# Altium PCB S7CAS-PLEIADES-CARTE-MERE_Pxx.PcbDoc (part 4 of 8) (continued)
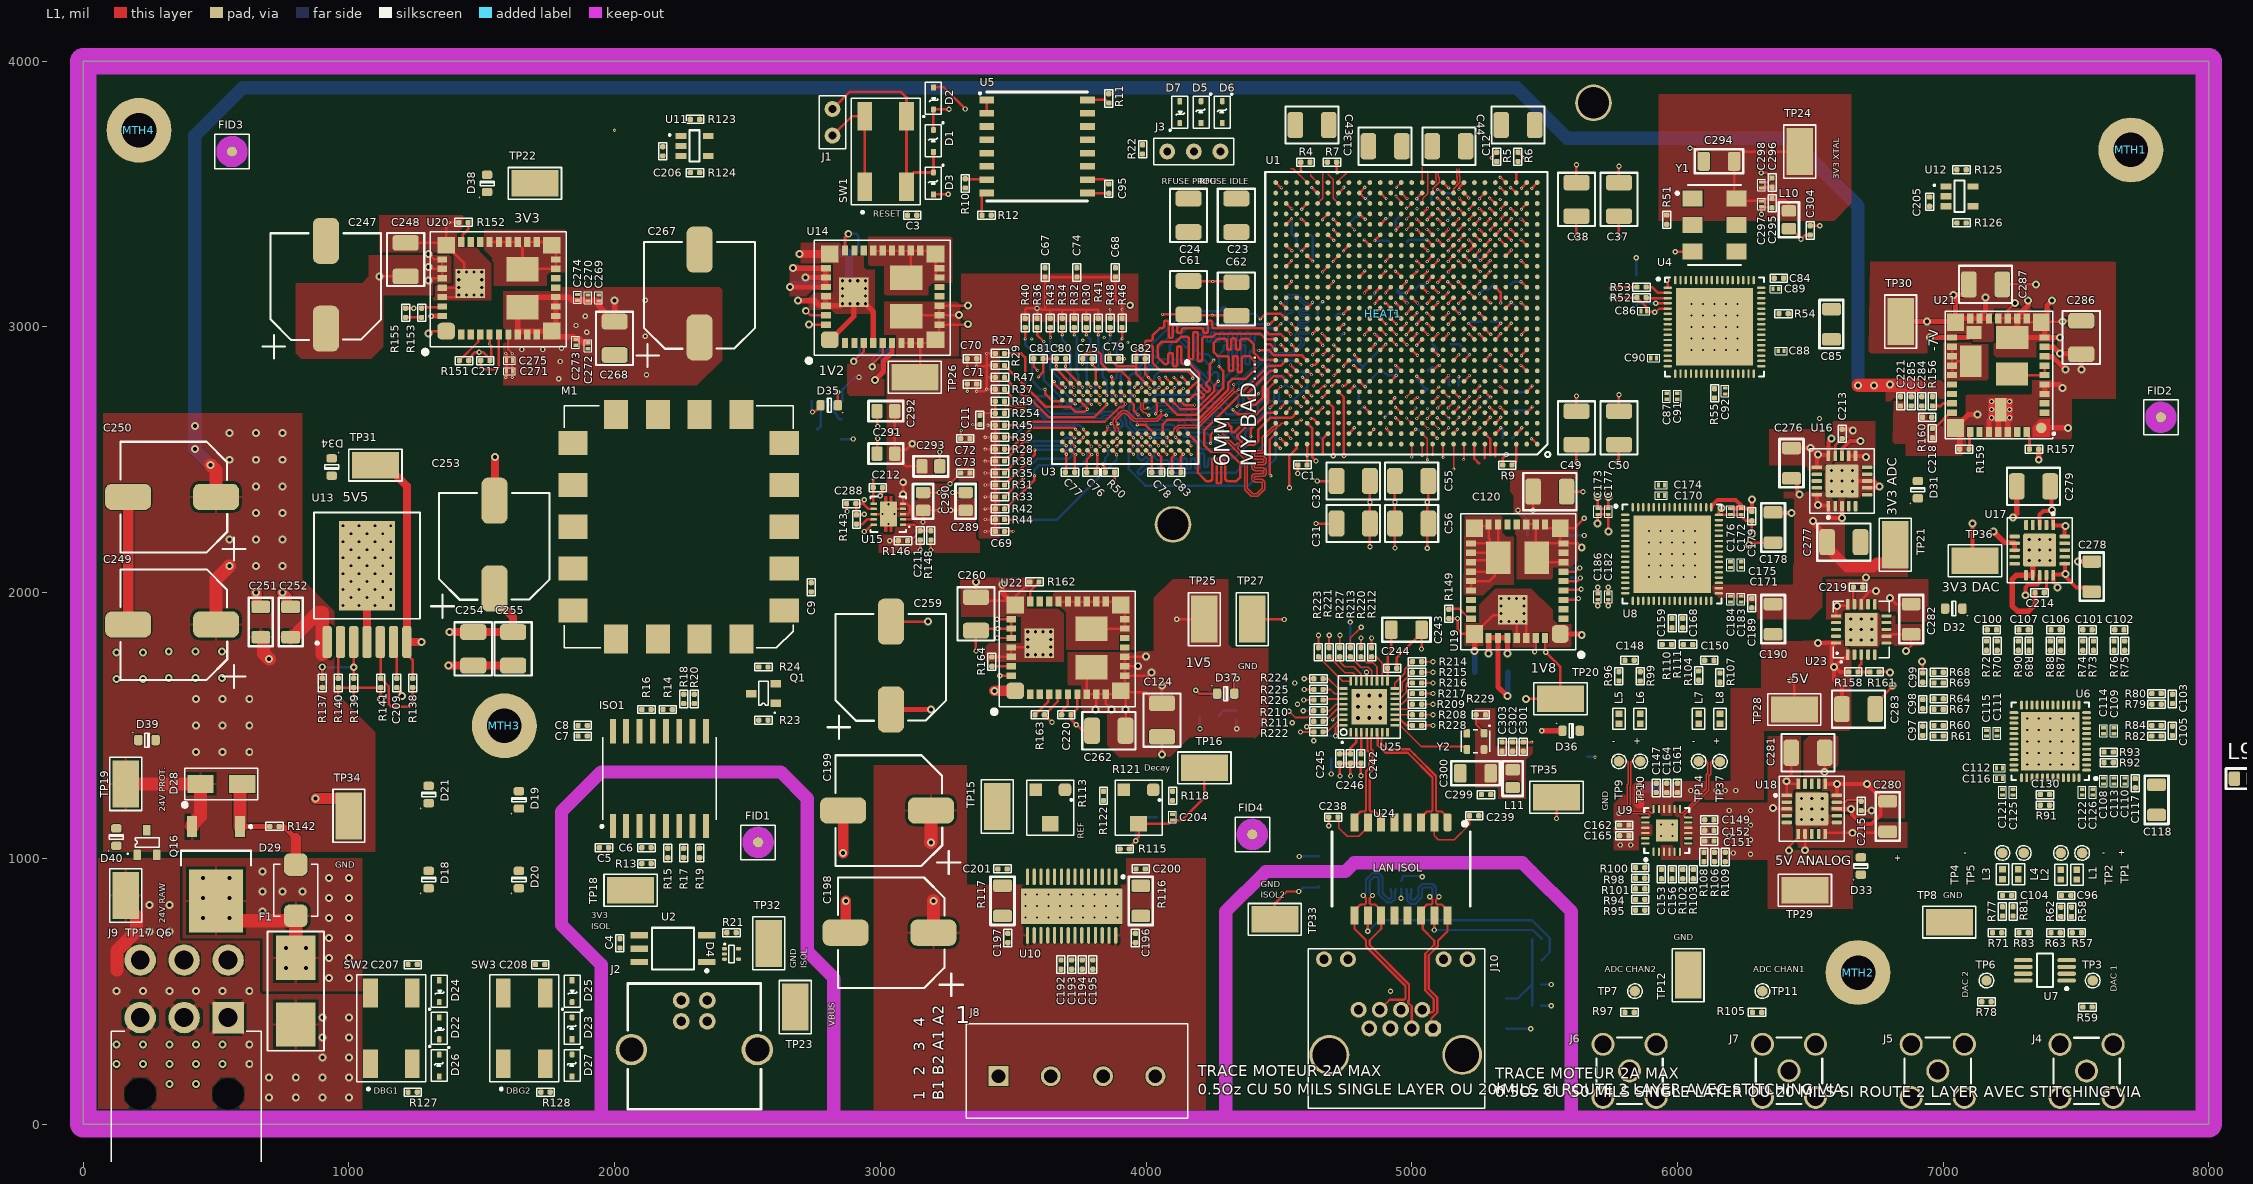
[diagram p0: L1 view]
## Nets (pads, with @x,y where several pads share a name; then routed paths per layer and width w, separated by ;. In a path a pad name is that pad's centre, name@x,y a point inside that pad or via, vN(x,y) a via of type N, cw(c..) or ccw(c..) an arc to the next point about the centre after c; other vN are vias at no path point) (continued)
A11: R38.2 U1.C24 U3.R7 | length 1673.9
  L1 w9.39: R38.2@3467.5,2495 3542.5,2570 v1(3555,2570) ; U3.R7@3716.53,2598.42 3716.53,2597.84 3731.64,2582.73 v1(3731.64,2582.15) ; U1.C24@4566.92,2637.79 4578.63,2649.5 4584.5,2649.5 v1(4585,2650)
  L12 w5.82: v1(3731.64,2582.15) 3731.64,2582.04 3715,2565.4 3715,2520.11 3730.11,2505 3823.01,2505 3826.49,2508.47 3879.39,2508.47 3883.1,2504.76 4198.76,2504.76 4230.62,2536.62 4244.39,2536.62 4276.68,2536.62 cw(c4276.68,2530.79) 4282.51,2530.79 4282.51,2513.67 ccw(c4287,2513.67) 4287,2509.18 4290.84,2509.18 ccw(c4290.84,2513.67) 4295.33,2513.67 4295.33,2532.13 cw(c4299.82,2532.13) 4299.82,2536.62 4303.66,2536.62 cw(c4303.66,2532.13) 4308.15,2532.13 4308.15,2509.25 ccw(c4312.64,2509.25) 4312.64,2504.76 4316.49,2504.76 ccw(c4316.49,2509.25) 4320.98,2509.25 4320.98,2545.72 cw(c4325.46,2545.72) 4325.46,2550.21 4329.31,2550.21 cw(c4329.31,2545.72) 4333.8,2545.72 4333.8,2509.25 ccw(c4338.29,2509.25) 4338.29,2504.76 4342.13,2504.76 ccw(c4342.13,2509.25) 4346.62,2509.25 4346.62,2571.37 cw(c4351.11,2571.37) 4351.11,2575.86 4354.96,2575.86 cw(c4354.96,2571.37) 4359.44,2571.37 4359.44,2509.25 ccw(c4363.93,2509.25) 4363.93,2504.76 4367.78,2504.76 ccw(c4367.78,2509.25) 4372.27,2509.25 4372.27,2530.79 cw(c4378.09,2530.79) 4378.09,2536.62 4381,2536.62 4391.62,2536.62 4500,2645 4578.5,2645 4583.5,2650 v1(4585,2650)
  L14 w9.36: v1(3555,2570) 3685,2570 3697.15,2582.15 v1(3731.64,2582.15)
A12: R39.2 U1.D22 U3.N7 | length 1811
  L1 w9.39: R39.2@3467.5,2585 v1(3500,2585) ; v1@3765.5,2614.5 3765.5,2612.44 U3.N7@3779.52,2598.42 ; U1.D22@4645.66,2678.52 4647.15,2678.52 4665.63,2697 v1(4665.76,2697)
  L3 w5.82: v1(3765,2615) 3765.83,2614.17 3804,2614.17 3841.01,2614.17 3860.17,2595 3904,2595 3930.56,2568.44 4037.72,2568.44 ccw(c4037.72,2574.26) 4043.54,2574.26 4043.54,2596.36 cw(c4048.03,2596.36) 4048.03,2600.85 4051.88,2600.85 cw(c4051.88,2596.36) 4056.36,2596.36 4056.36,2574.26 ccw(c4062.19,2574.26) 4062.19,2568.44 4080.62,2568.44 4083.21,2568.44 4098.94,2568.44 cw(c4098.94,2562.61) 4104.76,2562.61 4104.76,2557.51 ccw(c4109.25,2557.51) 4109.25,2553.02 4113.1,2553.02 ccw(c4113.1,2557.51) 4117.59,2557.51 4117.59,2563.93 cw(c4122.08,2563.93) 4122.08,2568.42 4125.92,2568.42 cw(c4125.92,2563.93) 4130.41,2563.93 4130.41,2557.51 ccw(c4134.9,2557.51) 4134.9,2553.02 4138.74,2553.02 ccw(c4138.74,2557.51) 4143.23,2557.51 4143.23,2562.61 cw(c4149.06,2562.61) 4149.06,2568.44 4168,2568.44 4176.56,2568.44 4197.24,2547.76 4272.76,2547.76 4281.5,2556.5 4283.56,2558.56 ccw(c4279.44,2562.68) 4283.56,2566.79 4277.92,2572.44 cw(c4281.09,2575.61) 4277.92,2578.78 4280.64,2581.5 cw(c4283.81,2578.33) 4286.98,2581.5 4303.19,2565.3 ccw(c4306.36,2568.47) 4309.53,2565.3 4312.25,2568.02 ccw(c4309.08,2571.19) 4312.25,2574.37 4296.55,2590.07 cw(c4299.72,2593.24) 4296.55,2596.42 4299.27,2599.14 cw(c4302.44,2595.96) 4305.62,2599.14 4321.32,2583.43 ccw(c4324.49,2586.61) 4327.67,2583.43 4330.39,2586.15 ccw(c4327.21,2589.33) 4330.39,2592.5 4328.06,2594.83 cw(c4332.18,2598.94) 4328.06,2603.06 4336,2611 4337,2612 4339.91,2614.91 ccw(c4334.49,2620.33) 4342.16,2620.33 4342.16,2645.9 cw(c4346.64,2645.9) 4346.64,2650.39 4350.49,2650.39 cw(c4350.49,2645.9) 4354.98,2645.9 4354.98,2628.05 ccw(c4359.47,2628.05) 4359.47,2623.57 4363.31,2623.57 ccw(c4363.31,2628.05) 4367.8,2628.05 4367.8,2671.55 cw(c4372.29,2671.55) 4372.29,2676.04 4376.14,2676.04 cw(c4376.14,2671.55) 4380.62,2671.55 4380.62,2653.7 ccw(c4385.11,2653.7) 4385.11,2649.21 4388.96,2649.21 ccw(c4388.96,2653.7) 4393.45,2653.7 4393.45,2694.36 cw(c4397.93,2694.36) 4397.93,2698.85 4401.78,2698.85 cw(c4401.78,2694.36) 4406.27,2694.36 4406.27,2679 ccw(c4410.76,2679) 4410.76,2674.51 4414.6,2674.51 ccw(c4414.6,2679) 4419.09,2679 4419.09,2694.36 cw(c4423.58,2694.36) 4423.58,2698.85 4427.43,2698.85 cw(c4427.43,2694.36) 4431.91,2694.36 4431.91,2680.82 ccw(c4437.74,2680.82) 4437.74,2675 4503.03,2675 cw(c4503.03,2669.18) 4508.85,2669.18 4508.85,2660.64 ccw(c4513.34,2660.64) 4513.34,2656.15 4517.18,2656.15 ccw(c4517.18,2660.64) 4521.67,2660.64 4521.67,2669.18 cw(c4527.49,2669.18) 4527.49,2675 4539,2675 4550,2675 4555.16,2669.84 4638.61,2669.84 v1(4665.76,2697)
  L14 w9.36: v1(3500,2585) 3546.01,2631.01 3741.63,2631.01 3742.95,2629.68 3750.32,2629.68 v1(3765,2615)
A13: R40.2 U1.G20 U3.T3 | length 1643.1
  L1 w9.39: v1(3545,2955) R40.2@3545,2996.79 ; v1(3620,2765) 3620,2748.64 3647.86,2720.78 3675.52,2720.78 3677.55,2722.81 3683.44,2722.81 U3.T3@3685.03,2724.4 ; v1@4699.83,2777.5 4716.01,2793.68 4722.81,2793.68 U1.G20@4724.4,2795.27
  L12 w5.82: v1(3620,2765) 3620,2748.64 3708.64,2660 3765,2660 3817.62,2607.38 3884.85,2607.38 3990,2607.38 4153.06,2607.38 4156.68,2603.76 4180.64,2603.76 4291.88,2715 4666,2715 4697.63,2746.63 4697.63,2770.96 4698.15,2771.48 4698.15,2775.82 v1(4699.33,2777)
  L14 w9.36: v1(3545,2955) 3545,2933.64 3572.26,2906.38 3572.26,2796.38 3603.64,2765 v1(3620,2765)
ADC1_IN_N: C148.1 R99.1 U8.20
ADC1_IN_P: C148.2 R96.1 U8.19
ADC2_IN_N: C150.1 R107.1 U8.30
ADC2_IN_P: C150.2 R104.1 U8.29
ADC_CLK_OUT_N: U1.T1 U8.56
ADC_CLK_OUT_P: U1.T3 U8.57
ADC_CTRL1: U1.T4 U8.35
ADC_CTRL2: U1.R7 U8.36 | length 30.3
  L1 w9.39: v1@5214.35,3130.5 5214.85,3130 5216.44,3130 U1.R7@5236.21,3110.23
  other v1: 5214.6,3130.25
ADC_CTRL3: U1.R6 U8.37 | length 30.3
  L1 w9.39: U1.R6@5275.58,3110.23 5295.35,3090.46 5296.94,3090.46 v1@5297.44,3089.96
  other v1: 5297.19,3090.21
ADC_OP1_OUT_N: L6.1 TP10.1 U9.18 | length 322.4
  L1 w4.82: TP10.1@5860,1365 5827.73,1365 5824.91,1362.18 5824.91,1276.26 5821.94,1273.3 5821.94,1186.94 5824.82,1184.07 5831.67,1177.22 5894.72,1177.22 5902.42,1169.52 5906.41,1169.52 5910.79,1173.9 U9.18@5910.79,1185.71
ADC_OP1_OUT_P: L5.1 TP9.1 U9.19 | length 330.5
  L1 w4.82: TP9.1@5780,1365 5812.27,1365 5815.09,1362.18 5815.09,1280.33 5812.12,1277.37 5812.12,1182.88 5815,1180 5827.6,1167.4 5890.65,1167.4 5895.48,1162.58 5895.48,1158.59 5891.1,1154.21 U9.19@5879.29,1154.21
ADC_OP2_OUT_N: L8.1 TP37.1 U9.12 | length 299
  L1 w4.82: U9.12@6040.71,1154.21 6028.9,1154.21 6024.52,1158.59 6024.52,1162.58 6113.15,1251.2 6118.85,1256.9 6118.85,1310.47 6124.91,1316.53 6124.91,1361.53 6127.73,1364.35 6159.35,1364.35 TP37.1@6160,1363.7
ADC_OP2_OUT_P: L7.1 TP14.1 U9.13 | length 290.9
  L1 w4.82: U9.13@6009.21,1185.71 6009.21,1173.9 6013.59,1169.52 6017.58,1169.52 6103.33,1255.27 6109.03,1260.97 6109.03,1314.54 6115.09,1320.6 6115.09,1361.53 6111.62,1365 TP14.1@6080,1365
ADC_OP_IN_1: J6.1 R95.2 R97.2 TP7.1
ADC_OP_IN_2: J7.1 R103.2 R105.2 TP11.1
ADC_RESET: U1.R10 U8.12 | length 30.3
  L1 w9.39: U1.R10@5118.1,3110.23 5137.87,3130 5137.87,3131.59 v1@5138.37,3132.09
  other v1: 5138.12,3131.84
ADC_SCLK: U1.T9 U8.13 | length 30.3
  L1 w9.39: v1@5135.61,3169.87 5136.11,3169.37 5137.7,3169.37 U1.T9@5157.47,3149.6
  other v1: 5135.86,3169.62
ADC_SDATA: U1.U3 U8.14
ADC_SDOUT: U1.T8 U8.64 | length 30.3
  L1 w9.39: v1@5174.98,3169.87 5175.48,3169.37 5177.07,3169.37 U1.T8@5196.84,3149.6
  other v1: 5175.23,3169.62
ADC_SEN: U1.U4 U8.15
AOUT1: D10.1 J8.4 U10.4
AOUT2: D11.1 J8.3 U10.25
BA0: R41.2 U1.H18 U3.M2 | length 1770.7
  L1 w9.39: U3.M2@3811.02,2755.9 3811.09,2755.9 3826.84,2740.15 v1(3826.91,2740.15) ; v1(3820,2970) R41.2@3820,2997.5 ; v1(4781.89,2854.5) 4782.39,2854 4783.78,2854 U1.H18@4803.14,2834.64
  L3 w5.82: v1(3826.91,2740.15) 3914,2827.24 3924.49,2827.24 3927.4,2827.24 ccw(c3927.4,2833.06) 3933.22,2833.06 3933.22,2888.28 cw(c3937.71,2888.28) 3937.71,2892.77 3941.56,2892.77 cw(c3941.56,2888.28) 3946.05,2888.28 3946.04,2800.36 ccw(c3950.53,2800.36) 3950.53,2795.88 3954.38,2795.88 ccw(c3954.38,2800.36) 3958.87,2800.36 3958.87,2888.28 cw(c3963.36,2888.28) 3963.36,2892.77 3967.2,2892.77 cw(c3967.2,2888.28) 3971.69,2888.28 3971.69,2800.36 ccw(c3976.18,2800.36) 3976.18,2795.88 3980.02,2795.88 ccw(c3980.02,2800.36) 3984.51,2800.36 3984.51,2846.89 cw(c3989,2846.89) 3989,2851.38 3992.85,2851.38 cw(c3992.85,2846.89) 3997.34,2846.89 3997.34,2833.06 ccw(c4003.16,2833.06) 4003.16,2827.24 4020.63,2827.24 4274.08,2827.24 4323.85,2877 4692.94,2877 4735.29,2834.64 4762.03,2834.64 v1(4781.89,2854.5)
  L14 w9.36: v1(3820,2970) 3819.5,2969.5 3819.5,2950.5 3820,2949.99 3820,2840 3809,2829 3809,2758.06 v1(3826.91,2740.15)
BA1: R42.2 U1.G19 U3.N8 | length 1954.1
  L1 w9.39: R42.2@3467.5,2315 3472,2319.5 3475.5,2319.5 3580,2424 v1(3580,2440) ; U3.N8@3779.52,2566.92 3779.52,2566.19 3795,2550.71 v1(3795,2550) ; v1(4739.24,2777.72) 4739.74,2778.22 4746.72,2778.22 U1.G19@4763.77,2795.27
  L3 w5.82: v1(3795,2550) 3795,2549.12 3780,2534.12 3780,2500 3811.15,2468.85 3894,2468.85 3985.46,2468.85 cw(c3985.46,2463.03) 3991.28,2463.03 3991.28,2460.84 ccw(c3995.77,2460.84) 3995.77,2456.35 3999.62,2456.35 ccw(c3999.62,2460.84) 4004.1,2460.84 4004.1,2464.36 cw(c4008.59,2464.36) 4008.59,2468.85 4012.44,2468.85 cw(c4012.44,2464.36) 4016.93,2464.36 4016.93,2455.64 ccw(c4021.41,2455.64) 4021.41,2451.15 4025.26,2451.15 ccw(c4025.26,2455.64) 4029.75,2455.64 4029.75,2464.36 cw(c4034.24,2464.36) 4034.24,2468.85 4038.08,2468.85 cw(c4038.08,2464.36) 4042.57,2464.36 4042.57,2455.64 ccw(c4047.06,2455.64) 4047.06,2451.15 4050.91,2451.15 ccw(c4050.91,2455.64) 4055.39,2455.64 4055.39,2464.36 cw(c4059.88,2464.36) 4059.88,2468.85 4063.73,2468.85 cw(c4063.73,2464.36) 4068.22,2464.36 4068.22,2455.64 ccw(c4072.7,2455.64) 4072.7,2451.15 4076.55,2451.15 ccw(c4076.55,2455.64) 4081.04,2455.64 4081.04,2464.36 cw(c4085.53,2464.36) 4085.53,2468.85 4089.37,2468.85 cw(c4089.37,2464.36) 4093.86,2464.36 4093.86,2455.64 ccw(c4098.35,2455.64) 4098.35,2451.15 4102.2,2451.15 ccw(c4102.2,2455.64) 4106.68,2455.64 4106.68,2464.36 cw(c4111.17,2464.36) 4111.17,2468.85 4115.02,2468.85 cw(c4115.02,2464.36) 4119.51,2464.36 4119.51,2455.64 ccw(c4124,2455.64) 4124,2451.15 4127.84,2451.15 ccw(c4127.84,2455.64) 4132.33,2455.64 4132.33,2464.36 cw(c4136.82,2464.36) 4136.82,2468.85 4140.66,2468.85 cw(c4140.66,2464.36) 4145.15,2464.36 4145.15,2455.64 ccw(c4149.64,2455.64) 4149.64,2451.15 4153.49,2451.15 ccw(c4153.49,2455.64) 4157.98,2455.64 4157.98,2464.36 cw(c4162.46,2464.36) 4162.46,2468.85 4166.31,2468.85 cw(c4166.31,2464.36) 4170.8,2464.36 4170.8,2455.64 ccw(c4175.29,2455.64) 4175.29,2451.15 4179.13,2451.15 ccw(c4179.13,2455.64) 4183.62,2455.64 4183.62,2464.36 cw(c4188.11,2464.36) 4188.11,2468.85 4191.96,2468.85 cw(c4191.96,2464.36) 4196.44,2464.36 4196.44,2455.64 ccw(c4200.93,2455.64) 4200.93,2451.15 4204.78,2451.15 ccw(c4204.78,2455.64) 4209.27,2455.64 4209.27,2463.03 cw(c4215.09,2463.03) 4215.09,2468.85 4218,2468.85 4498.85,2468.85 4738.96,2708.96 4738.96,2777.44 v1(4739.24,2777.72)
  L14 w9.36: v1(3580,2440) 3580,2461.62 3598.38,2480 3755.59,2480 3779.78,2504.19 3779.78,2526.08 3780,2526.3 3780,2535 v1(3795,2550)
BA2: R43.2 U1.E24 U3.M3 | length 1891.7
  L1 w9.39: v1(3640,2960) R43.2@3640,2997.5 ; U3.M3@3811.02,2724.4 v1(3826.76,2708.66) ; U1.E24@4566.92,2716.53 4568,2716.53 4583.76,2700.76 v1(4584.47,2700.76)
  L3 w5.82: v1(3826.76,2708.66) 3828.44,2708.66 3831.52,2705.57 3831.59,2705.57 3835,2702.16 3835,2685 3821,2671 3821,2658 3827.33,2651.67 3849.67,2651.67 3864,2666 3893,2666 3907.33,2651.67 3916.13,2651.67 3919.04,2651.67 ccw(c3919.04,2657.49) 3924.86,2657.49 3924.86,2667.36 cw(c3929.35,2667.36) 3929.35,2671.85 3933.2,2671.85 cw(c3933.2,2667.36) 3937.68,2667.36 3937.68,2627.64 ccw(c3942.17,2627.64) 3942.17,2623.15 3946.02,2623.15 ccw(c3946.02,2627.64) 3950.51,2627.64 3950.51,2645.85 cw(c3956.33,2645.85) 3956.33,2651.67 3983.15,2651.67 cw(c3983.15,2645.85) 3988.97,2645.85 3988.97,2627.64 ccw(c3993.46,2627.64) 3993.46,2623.15 3997.31,2623.15 ccw(c3997.31,2627.64) 4001.8,2627.64 4001.8,2648.58 cw(c4006.29,2648.58) 4006.29,2653.07 4010.13,2653.07 cw(c4010.13,2648.58) 4014.62,2648.58 4014.62,2627.64 ccw(c4019.11,2627.64) 4019.11,2623.15 4022.95,2623.15 ccw(c4022.95,2627.64) 4027.44,2627.64 4027.44,2654.28 cw(c4031.93,2654.28) 4031.93,2658.76 4035.78,2658.76 cw(c4035.78,2654.28) 4040.27,2654.28 4040.27,2627.64 ccw(c4044.75,2627.64) 4044.75,2623.15 4048.6,2623.15 ccw(c4048.6,2627.64) 4053.09,2627.64 4053.09,2652.94 cw(c4057.58,2652.94) 4057.58,2657.43 4061.42,2657.43 cw(c4061.42,2652.94) 4065.91,2652.94 4065.91,2627.64 ccw(c4070.4,2627.64) 4070.4,2623.15 4074.25,2623.15 ccw(c4074.25,2627.64) 4078.73,2627.64 4078.73,2648.51 cw(c4083.22,2648.51) 4083.22,2653 4087.07,2653 cw(c4087.07,2648.51) 4091.56,2648.51 4091.56,2643.35 ccw(c4096.04,2643.35) 4096.04,2638.86 4099.89,2638.86 ccw(c4099.89,2643.35) 4104.38,2643.35 4104.38,2669.36 cw(c4108.87,2669.36) 4108.87,2673.85 4112.71,2673.85 cw(c4112.71,2669.36) 4117.2,2669.36 4117.2,2657.49 ccw(c4123.02,2657.49) 4123.02,2651.67 4209.66,2651.67 4210.99,2653 4228,2653 4235.49,2660.49 cw(c4239.6,2656.37) 4245.43,2656.37 4245.43,2647.55 ccw(c4249.91,2647.55) 4249.91,2643.06 4253.76,2643.06 ccw(c4253.76,2647.55) 4258.25,2647.55 4258.25,2703 cw(c4262.74,2703) 4262.74,2707.48 4266.58,2707.48 cw(c4266.58,2703) 4271.07,2703 4271.07,2647.55 ccw(c4275.56,2647.55) 4275.56,2643.06 4279.41,2643.06 ccw(c4279.41,2647.55) 4283.89,2647.55 4283.89,2706.48 cw(c4289.72,2706.48) 4285.6,2710.6 4296.76,2721.76 4308.73,2721.76 4563.12,2721.76 4584.12,2700.76 v1(4584.47,2700.76)
  L14 w9.36: v1(3640,2960) 3640,2840 3675,2805 3675,2771.47 3720.33,2726.14 3809.28,2726.14 v1(3826.76,2708.66)
BOUT1: D8.1 J8.1 U10.11
BOUT2: D9.1 J8.2 U10.18
CCLK: R11.1 U1.AD22 U5.16 | length 213.2
  L1 w6.36: U1.AD22@4645.66,3464.56 4665,3483.9 4665,3585
  L1 w9.39: U5.16@3780,3854 3848.5,3854 R11.1@3860,3842.5
CK_N: R254.2 U1.C26 U3.K7 | length 1862.6
  L1 w4.82: R254.2@3467.5,2675 3467.5,2689.77 3470.32,2692.59 3507.41,2692.59 3509.82,2695 3540,2695 v1(3550,2685) ; v1(3868.6,2635.74) 3868.6,2637.46 3876.62,2645.48 3876.62,2652.91 3908.68,2684.97 3927.82,2684.97 3957.82,2654.97 4037.95,2654.97 4056.81,2673.84 4056.81,2685.28 v1(4056.47,2685.63) ; U3.K7@3874.01,2598.42 3884.85,2609.26 3884.85,2614.41 3878.76,2620.5 3878.76,2629.06 3874.88,2632.94 ; v1(4290,2610) 4289.75,2609.75 4289.75,2598.11 4325.93,2561.93 4327.63,2560.22 4331.19,2556.67 ccw(c4334.6,2560.08) 4338.01,2556.67 4342.45,2561.12 cw(c4345.38,2558.19) 4348.31,2561.12 4350.81,2558.61 cw(c4347.89,2555.68) 4350.81,2552.76 4346.37,2548.31 ccw(c4349.78,2544.9) 4346.37,2541.49 4354.72,2533.13 4356.43,2531.43 4381,2506.86 4381,2392 4401,2372 4417,2372 4437.63,2392.63 4437.63,2404 4437.63,2411.32 ccw(c4432.81,2411.32) 4432.81,2416.14 4412.02,2416.14 cw(c4412.02,2430.1) 4398.06,2430.1 4398.06,2433.65 cw(c4412.02,2433.65) 4412.02,2447.61 4438.61,2447.61 ccw(c4438.61,2451.74) 4442.75,2451.74 4442.75,2455.29 ccw(c4438.61,2455.29) 4438.61,2459.43 4412.02,2459.43 cw(c4412.02,2473.39) 4398.06,2473.39 4398.06,2476.93 cw(c4412.02,2476.93) 4412.02,2490.89 4438.61,2490.89 ccw(c4438.61,2495.03) 4442.75,2495.03 4442.75,2498.58 ccw(c4438.61,2498.58) 4438.61,2502.71 4412.02,2502.71 cw(c4412.02,2516.67) 4398.06,2516.67 4398.06,2520.22 cw(c4412.02,2520.22) 4412.02,2534.18 4432.81,2534.18 ccw(c4432.81,2539) 4437.63,2539 4437.63,2557.22 4437.63,2585.23 4477.24,2624.83 4481.51,2624.83 4485.71,2629.03 4485.71,2635.32 U1.C26@4488.18,2637.79
  L14 w4.85: v1(3550,2685) 3558.58,2693.58 3577.5,2693.58 3624.92,2646.15 3836.15,2646.15 3847.72,2657.72 3865.38,2657.72 3877.17,2645.93 3877.17,2641.92 3874.33,2639.08 3873.88,2639.08 3870.53,2635.74 v1(3868.6,2635.74) ; 4062.89,2683.94 4066.9,2683.94 4073.31,2690.36 4099.95,2690.36 4105.84,2684.46 4144.36,2684.46 4203.83,2625 4262.88,2625 4277.63,2610.25 4289.75,2610.25 v1(4290,2610)
CK_P: R49.2 U1.C25 U3.J7 | length 1881.8
  L1 w4.82: R49.2@3467.5,2720 3467.5,2705.23 3470.32,2702.41 3503.34,2702.41 3505.75,2704.82 3542.82,2704.82 v1(3550,2712) ; U3.J7@3905.41,2598.42 3905.41,2598.52 3894.67,2609.26 3894.67,2618.48 3888.58,2624.57 3888.58,2628.56 3894.99,2634.97 v1(3895.59,2634.97) 3886.44,2644.12 3886.44,2648.84 3912.75,2675.15 3923.75,2675.15 3953.75,2645.15 4042.02,2645.15 4063.76,2666.89 4075.49,2666.89 v1@4075.84,2667.24 ; v1@4270.57,2591.16 4282.81,2591.16 4371.18,2502.79 4371.18,2387.93 4396.93,2362.18 4421.07,2362.18 4447.45,2388.56 4447.45,2404 4447.45,2411.32 ccw(c4432.81,2411.32) 4432.81,2425.97 4412.02,2425.97 cw(c4412.02,2430.1) 4407.88,2430.1 4407.88,2433.65 cw(c4412.02,2433.65) 4412.02,2437.79 4438.61,2437.79 ccw(c4438.61,2451.74) 4452.57,2451.74 4452.57,2455.29 ccw(c4438.61,2455.29) 4438.61,2469.25 4412.02,2469.25 cw(c4412.02,2473.39) 4407.88,2473.39 4407.88,2476.93 cw(c4412.02,2476.93) 4412.02,2481.07 4438.61,2481.07 ccw(c4438.61,2495.03) 4452.57,2495.03 4452.57,2498.58 ccw(c4438.61,2498.58) 4438.61,2512.53 4412.02,2512.53 cw(c4412.02,2516.67) 4407.88,2516.67 4407.88,2520.22 cw(c4412.02,2520.22) 4412.02,2524.35 4432.81,2524.35 ccw(c4432.81,2539) 4447.45,2539 4447.45,2557.22 4447.45,2581.16 4481.31,2615.01 4485.58,2615.01 4498.34,2627.77 4501.45,2627.77 4511.46,2637.78 U1.C25@4527.14,2637.78
  L14 w4.85: v1(3550,2712) 3558.58,2703.42 3581.58,2703.42 3629,2656 3832.07,2656 3843.64,2667.57 3869.46,2667.57 3887.02,2650.01 3887.02,2641.92 3893.96,2634.97 v1(3895.59,2634.97) ; 4074.55,2673.65 4074.55,2677.67 4077.39,2680.51 4095.87,2680.51 4101.76,2674.62 4140.29,2674.62 4199.75,2615.15 4258.8,2615.15 4270.66,2603.29 4270.66,2592.06 v1@4270.41,2591.81
  other v1: 4270.41,2591.41 4076.24,2667.24
CKE: R44.2 U1.F22 U3.K9 | length 2023.1
  L1 w9.39: R44.2@3467.5,2275 v1(3501.02,2275) ; U3.K9@3874.01,2535.43 3888.5,2520.94 3888.5,2519.5 v1(3889,2519) ; U1.F22@4645.66,2755.9 4667.26,2777.5 4673.5,2777.5 v1(4674,2778)
  L3 w5.82: v1(3889,2519) 3903,2505 4180,2505 4193.75,2518.75 4313.75,2518.75 4355,2560 4356.4,2560 4359.32,2560 ccw(c4359.32,2565.82) 4365.14,2565.82 4365.14,2584.89 cw(c4369.63,2584.89) 4369.63,2589.37 4373.47,2589.37 cw(c4373.47,2584.89) 4377.96,2584.89 4377.96,2509.49 ccw(c4382.45,2509.49) 4382.45,2505 4386.3,2505 ccw(c4386.3,2509.49) 4390.78,2509.49 4390.78,2569.28 cw(c4395.27,2569.28) 4395.27,2573.76 4399.12,2573.76 cw(c4399.12,2569.28) 4403.61,2569.28 4403.61,2509.49 ccw(c4408.09,2509.49) 4408.09,2505 4411.94,2505 ccw(c4411.94,2509.49) 4416.43,2509.49 4416.43,2588.29 cw(c4420.92,2588.29) 4420.92,2592.78 4424.76,2592.78 cw(c4424.76,2588.29) 4429.25,2588.29 4429.25,2525.26 ccw(c4433.74,2525.26) 4433.74,2520.78 4437.59,2520.78 ccw(c4437.59,2525.26) 4442.07,2525.26 4442.07,2554.18 cw(c4447.9,2554.18) 4447.9,2560 4460,2560 4475,2575 4527.24,2627.24 4557.76,2627.24 4575,2610 4620,2610 4700,2690 4700,2752 v1(4674,2778)
  L14 w9.36: v1(3501.02,2275) 3665,2275 3889,2499 v1(3889,2519)
CLK125MHz_N: U4.46 Y1.5
CLK125MHz_P: U4.45 Y1.4
CLK_100MHz_N: U1.C14 U4.28 | length 30.3
  L1 w9.39: v1(4938.76,2658.06) 4939.26,2657.56 4940.85,2657.56 U1.C14@4960.62,2637.79
CLK_100MHz_P: U1.D14 U4.27 | length 30.3
  L1 w9.39: v1(4938.76,2697.43) 4939.26,2696.93 4940.85,2696.93 U1.D14@4960.62,2677.16
CLK_200MHz_N: C168.2 R111.2 U4.20
CLK_200MHz_P: C159.2 R110.2 U4.19
CLK_400MHz_N: R93.2 U4.17 U6.4
CLK_400MHz_P: R92.2 U4.16 U6.3
CLK_IC_200MHz_N: C168.1 U8.26
CLK_IC_200MHz_P: C159.1 U8.25
COL: R210.1 U1.E10 | length 1599.8
  L1 w6.36: v3(4538,1554) 4562,1530 4606.04,1530 R210.1@4631.55,1555.51 ; v1(5097.83,2694.67) 5097.83,2695.47 5118.1,2715.74 U1.E10@5118.1,2716.53
  L3 w3.64: v3(4538,1554) 4525,1567 4525,1780 4600,1855 4600,2095 4765,2260 4765,2463 5012.27,2710.27 5082.24,2710.27 v1(5097.83,2694.67)
CRS: R211.1 U1.F10 | length 1830.8
  L1 w6.36: v3(4605,1495) 4607.61,1497.61 4613.65,1497.61 R211.1@4631.55,1515.51 ; U1.F10@5118.1,2755.9 5118.9,2755.9 5139.17,2735.63 v1(5139.96,2735.63)
  L3 w3.64: v3(4605,1495) 4565,1535 4516,1535 4505,1546 4505,1812.15 4580,1887.15 4580,2130 4735,2285 4735,2461 4809,2535 4809,2643 4911.32,2745.32 4950.82,2784.82 5110.18,2784.82 5139.96,2755.04 v1(5139.96,2735.63)
CSO_B: R10.1 U1.AF4 U5.7 | length 111.7
  L1 w9.39: R10.1@3320,3557.5 3321.75,3555.75 3398.25,3555.75 U5.7@3400,3554 ; v1@5332.46,3563.57 5332.96,3563.07 5334.55,3563.07 U1.AF4@5354.32,3543.3
  other v1: 5332.71,3563.32
D0: U1.G25 U3.G2 | length 970.6
  L1 w9.39: U3.G2@3968.5,2755.9 v1(3984.24,2771.65) ; v1(4343,2700.76) 4343,2701.47 4347.96,2706.43 4347.96,2707.26 4412.26,2707.26 4440,2735 4440,2773.79 4480.36,2814.15 4510.93,2814.15 4527.55,2797.52 U1.G25@4527.55,2795.27
  L14 w9.36: v1(3984.24,2771.65) 3984.24,2806.24 4003.5,2825.5 4006.81,2828.81 ccw(c4000.19,2835.43) 4006.81,2842.05 4005.66,2843.21 cw(c4009.71,2847.26) 4005.66,2851.31 4009.13,2854.78 cw(c4013.18,2850.73) 4017.23,2854.78 4018.38,2853.62 ccw(c4025,2860.25) 4031.62,2853.62 4057,2879 4078.38,2879 4095,2862.38 4174.33,2862.38 4257.46,2779.25 4278.63,2779.25 4294.26,2794.87 4294.26,2806.27 4328,2840.02 4338.91,2840.02 4345.85,2833.07 4345.85,2821.77 4313.86,2789.77 4313.86,2774.66 4347.26,2741.26 4347.26,2705.73 4343,2701.48 v1(4343,2700.76)
D0_N: R61.2 U1.W12 U6.28
D0_P: R60.2 U1.V12 U6.27 | length 30.3
  L1 w9.39: v1@5017.5,3248.61 5018,3248.11 5019.59,3248.11 U1.V12@5039.36,3228.34
  other v1: 5017.75,3248.36
D1: U1.G26 U3.F2 | length 977.2
  L1 w9.39: U3.F2@3999.99,2755.9 4002.25,2755.9 4009.41,2748.74 4009.56,2748.74 4013.29,2745 v1(4014,2745) ; v1(4328,2688.01) 4341.57,2674.43 4343.57,2674.43 4346.07,2671.93 4416.93,2671.93 4460,2715 4460,2767.09 U1.G26@4488.18,2795.27
  L14 w9.36: v1(4014,2745) 4031,2762 4031,2814 4049,2832 4181,2832 4200.14,2812.86 4203.45,2809.55 4215.03,2797.97 cw(c4208.4,2791.35) 4215.03,2784.73 4187.7,2757.41 ccw(c4191.75,2753.36) 4187.7,2749.31 4191.17,2745.83 ccw(c4195.22,2749.88) 4199.27,2745.83 4230.64,2777.2 cw(c4234.69,2773.15) 4238.74,2777.2 4242.21,2773.73 cw(c4238.16,2769.68) 4242.21,2765.63 4211.22,2734.64 ccw(c4215.27,2730.59) 4211.22,2726.54 4214.69,2723.07 ccw(c4218.74,2727.12) 4222.79,2723.07 4260.23,2760.51 cw(c4264.28,2756.46) 4268.33,2760.51 4271.8,2757.04 cw(c4267.75,2752.99) 4271.8,2748.94 4249.96,2727.09 ccw(c4254.01,2723.04) 4249.96,2719 4253.43,2715.52 ccw(c4257.48,2719.57) 4261.53,2715.52 4272.88,2726.88 cw(c4279.5,2720.26) 4286.12,2726.88 4302.19,2710.81 4305.5,2707.5 4324.49,2688.51 4327.5,2688.51 v1(4328,2688.01)
D1_N: R67.2 U1.AF11 U6.26 | length 54.6
  L1 w4.82: U1.AF11@5078.73,3543.3 5080.39,3544.96 5090.19,3544.96 5093.01,3547.78 5093.01,3557.22 5090,3560.23 5090,3585
D1_P: R64.2 U1.AE11 U6.25 | length 92.3
  L1 w4.82: U1.AE11@5078.73,3503.93 5079.14,3504.34 5079.14,3520.02 5102.83,3543.71 5102.83,3561.28 5099.82,3564.3 5099.82,3585
D2: U1.H24 U3.F7 | length 966.1
  L1 w9.39: U3.F7@3999.99,2598.42 3999.99,2597.4 4014.23,2583.17 4015.24,2583.17 v1(4015.74,2582.67) ; v1(4543.96,2856.76) 4544.38,2856.76 4566.55,2834.59 U1.H24@4566.92,2834.64
  L14 w9.36: v1(4015.74,2582.67) 4039.95,2582.67 4040.47,2582.16 4055.6,2582.16 4069.51,2568.24 4123.35,2568.24 4123.6,2568.5 4180.49,2568.5 4209.5,2539.48 4327.48,2539.48 4374,2586 4374,2606 4446,2678 4446,2703 4462.99,2719.99 4469.02,2719.99 4473.7,2719.99 ccw(c4473.7,2729.36) 4483.06,2729.36 4483.06,2749.56 cw(c4488.79,2749.56) 4488.79,2755.29 4493.7,2755.29 cw(c4493.7,2749.56) 4499.43,2749.56 4499.43,2729.36 ccw(c4508.79,2729.36) 4508.79,2719.99 4549.92,2719.99 4551.74,2719.99 4607,2775.25 4607,2815.13 4591.13,2831 4569.72,2831 v1(4543.96,2856.76)
D2_N: R69.2 U1.AF9 U6.24 | length 64.1
  L1 w4.82: U1.AF9@5157.47,3543.3 5159.13,3544.96 5168.93,3544.96 5171.75,3547.78 5171.75,3562.85 5170,3564.6 5170,3595
D2_P: R68.2 U1.AE9 U6.23 | length 101.8
  L1 w4.82: U1.AE9@5157.47,3503.93 5157.88,3504.34 5157.88,3520.02 5181.57,3543.71 5181.57,3566.91 5179.82,3568.67 5179.82,3595
D3: U1.H26 U3.E3 | length 973.4
  L1 w9.39: U3.E3@4031.49,2724.4 4031.49,2722.81 4040.45,2713.85 4040.45,2678.16 4036,2673.71 v1(4036,2673) ; v1(4423.98,2749) 4403.06,2728.08 4389.42,2728.08 4383.92,2733.58 4383.92,2751.92 4466.64,2834.64 U1.H26@4488.18,2834.64
  L14 w9.36: v1(4036,2673) 4061,2648 4115.38,2648 4116,2648 4119,2645 ccw(c4125.62,2651.62) 4132.24,2645 4134.22,2646.98 cw(c4138.27,2642.93) 4142.32,2646.98 4145.79,2643.51 cw(c4141.74,2639.46) 4145.79,2635.41 4143.81,2633.43 ccw(c4150.44,2626.81) 4143.81,2620.19 4154.2,2609.8 4157.51,2606.49 4161.43,2602.57 4225.07,2602.57 4261.43,2566.21 4298.21,2566.21 4302.2,2570.2 4305.51,2573.51 ccw(c4298.89,2580.13) 4305.51,2586.75 4301.65,2590.61 cw(c4305.7,2594.66) 4301.65,2598.71 4305.12,2602.18 cw(c4309.17,2598.13) 4313.22,2602.18 4336.16,2579.24 ccw(c4340.21,2583.29) 4344.26,2579.24 4347.73,2582.71 ccw(c4343.68,2586.76) 4347.73,2590.81 4341.89,2596.65 cw(c4348.51,2603.27) 4341.89,2609.89 4354.09,2622.09 4421,2689 4421,2705 4463,2747 4463,2758 4455,2766 4440.98,2766 v1(4423.98,2749)
D3_N: R72.2 U1.AF10 U6.22 | length 30.3
  L1 w9.39: U1.AF10@5118.1,3543.3 5137.87,3523.53 5139.46,3523.53 v1@5139.96,3523.03
  other v1: 5139.71,3523.28
D3_P: R70.2 U1.AD10 U6.21 | length 30.3
  L1 w9.39: v1@5096.24,3484.83 5096.74,3484.33 5098.33,3484.33 U1.AD10@5118.1,3464.56
  other v1: 5096.49,3484.58
D4: U1.E25 U3.H8 | length 964.6
  L1 w9.39: U3.H8@3937,2566.92 v1(3952.75,2551.18) ; v1(4506.02,2695) U1.E25@4527.55,2716.53
  L14 w9.36: v1(3952.75,2551.18) 3935,2533.43 3935,2465 3997,2403 4386,2403 4488.18,2505.18 4488.18,2677.16 v1(4506.02,2695)
D4_N: R74.2 U1.U12 U6.16 | length 30.3
  L1 w9.39: U1.U12@5039.36,3188.97 5059.13,3208.74 5059.13,3210.33 v1@5059.63,3210.83
  other v1: 5059.38,3210.58
D4_P: R73.2 U1.U13 U6.15 | length 30.3
  L1 w9.39: U1.U13@4999.99,3188.97 5019.76,3208.74 5019.76,3210.33 v1@5020.26,3210.83
  other v1: 5020.01,3210.58